# KiCad board GanJing 65 rev 2 hotswap-rounded.kicad_pcb
title: GanJing 65 rev 2 hotswap; date: 2021-11-19; rev: 2; company: Mingze Jin
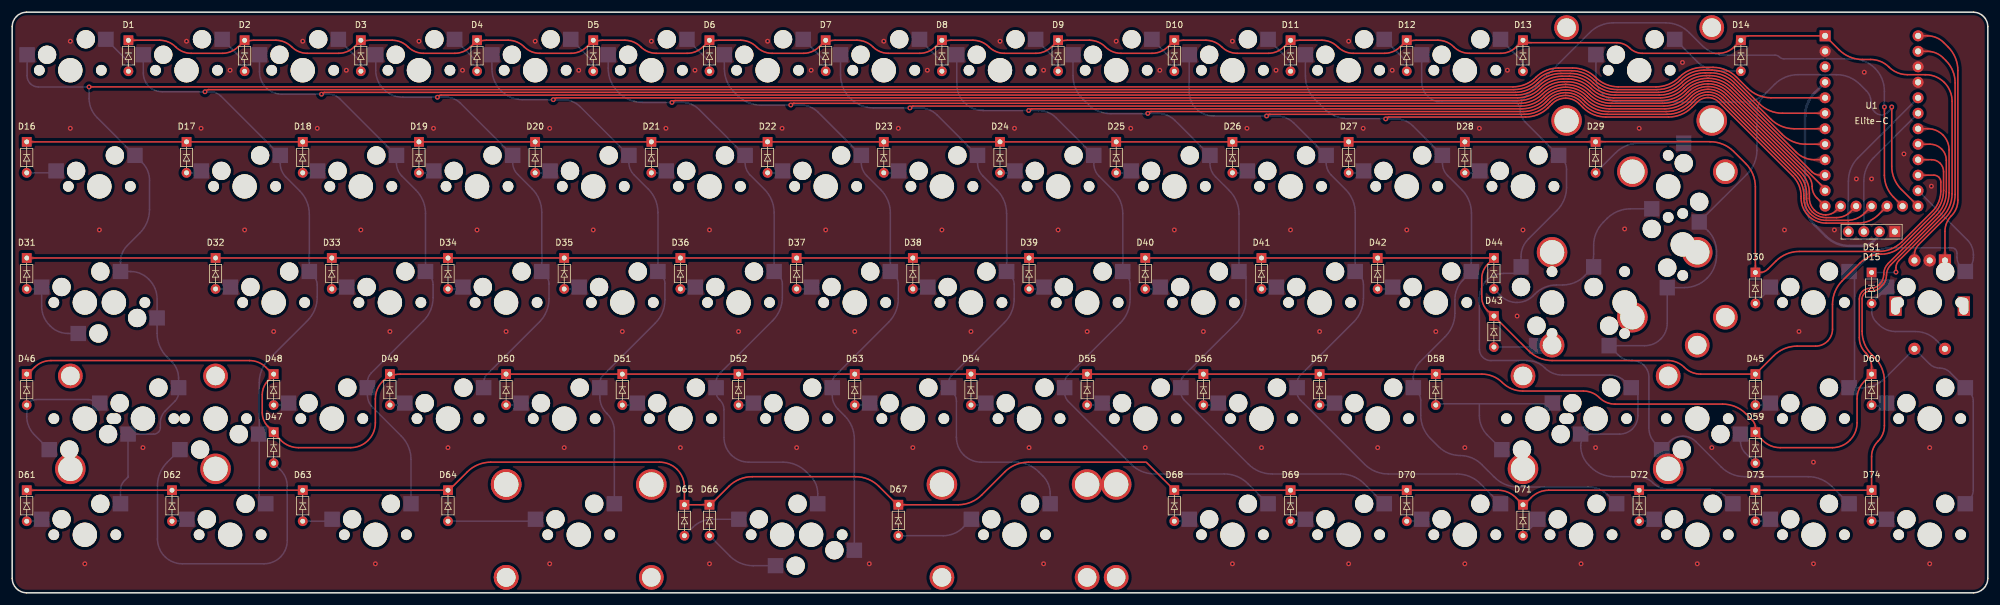
[diagram p0: board, top side]
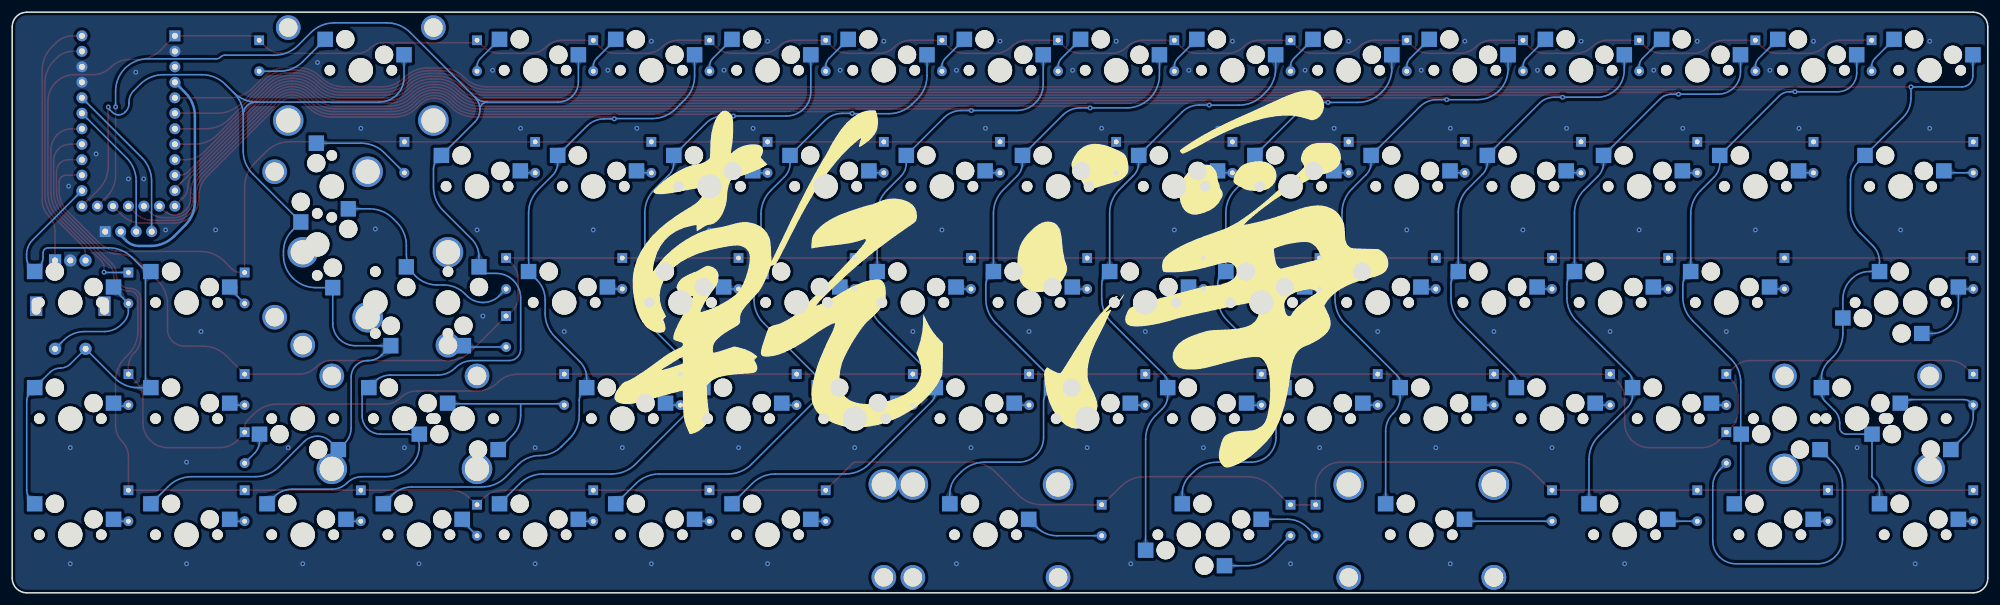
[diagram p1: board, bottom side, seen from below]

Outline 323.85 x 95.25 mm; copper layers: Top, Bottom. Coordinates in mm from the lower left corner of the outline.
Outline path: 0,92.87 0,2.38 arc(0.7,0.7) 2.38,0 321.47,0 arc(323.15,0.7) 323.85,2.38 323.85,92.87 arc(323.15,94.55) 321.47,95.25 2.38,95.25 arc(0.7,94.55) 0,92.87
Stack: Top 0.035mm / dielectric 1.51mm FR4 er 4.5 / Bottom 0.035mm

## Placement (name value [footprint] x y rotation side)
D1  -  [1N4148TR_diode]  19.05 88.11 0 top
D2  -  [1N4148TR_diode]  38.1 88.11 0 top
D3  -  [1N4148TR_diode]  57.15 88.11 0 top
D4  -  [1N4148TR_diode]  76.2 88.11 0 top
D5  -  [1N4148TR_diode]  95.25 88.11 0 top
D6  -  [1N4148TR_diode]  114.3 88.11 0 top
D7  -  [1N4148TR_diode]  133.35 88.11 0 top
D8  -  [1N4148TR_diode]  152.4 88.11 0 top
D9  -  [1N4148TR_diode]  171.45 88.11 0 top
D10  -  [1N4148TR_diode]  190.5 88.11 0 top
D11  -  [1N4148TR_diode]  209.55 88.11 0 top
D12  -  [1N4148TR_diode]  228.6 88.11 0 top
D13  -  [1N4148TR_diode]  247.65 88.11 0 top
D14  -  [1N4148TR_diode]  283.37 88.11 0 top
D15  -  [1N4148TR_diode]  304.8 50.01 0 top
D16  -  [1N4148TR_diode]  2.38 71.44 0 top
D17  -  [1N4148TR_diode]  28.57 71.44 0 top
D18  -  [1N4148TR_diode]  47.62 71.44 0 top
D19  -  [1N4148TR_diode]  66.68 71.44 0 top
D20  -  [1N4148TR_diode]  85.72 71.44 0 top
D21  -  [1N4148TR_diode]  104.78 71.44 0 top
D22  -  [1N4148TR_diode]  123.83 71.44 0 top
D23  -  [1N4148TR_diode]  142.88 71.44 0 top
D24  -  [1N4148TR_diode]  161.93 71.44 0 top
D25  -  [1N4148TR_diode]  180.97 71.44 0 top
D26  -  [1N4148TR_diode]  200.03 71.44 0 top
D27  -  [1N4148TR_diode]  219.08 71.44 0 top
D28  -  [1N4148TR_diode]  238.13 71.44 0 top
D29  -  [1N4148TR_diode]  259.56 71.44 0 top
D30  -  [1N4148TR_diode]  285.75 50.01 0 top
D31  -  [1N4148TR_diode]  2.38 52.39 0 top
D32  -  [1N4148TR_diode]  33.34 52.39 0 top
D33  -  [1N4148TR_diode]  52.39 52.39 0 top
D34  -  [1N4148TR_diode]  71.44 52.39 0 top
D35  -  [1N4148TR_diode]  90.49 52.39 0 top
D36  -  [1N4148TR_diode]  109.54 52.39 0 top
D37  -  [1N4148TR_diode]  128.59 52.39 0 top
D38  -  [1N4148TR_diode]  147.64 52.39 0 top
D39  -  [1N4148TR_diode]  166.69 52.39 0 top
D40  -  [1N4148TR_diode]  185.74 52.39 0 top
D41  -  [1N4148TR_diode]  204.79 52.39 0 top
D42  -  [1N4148TR_diode]  223.84 52.39 0 top
D43  -  [1N4148TR_diode]  242.89 42.86 0 top
D44  -  [1N4148TR_diode]  242.89 52.39 0 top
D45  -  [1N4148TR_diode]  285.75 33.34 0 top
D46  -  [1N4148TR_diode]  2.38 33.34 0 top
D47  -  [1N4148TR_diode]  42.86 23.81 0 top
D48  -  [1N4148TR_diode]  42.86 33.34 0 top
D49  -  [1N4148TR_diode]  61.91 33.34 0 top
D50  -  [1N4148TR_diode]  80.96 33.34 0 top
D51  -  [1N4148TR_diode]  100.01 33.34 0 top
D52  -  [1N4148TR_diode]  119.06 33.34 0 top
D53  -  [1N4148TR_diode]  138.11 33.34 0 top
D54  -  [1N4148TR_diode]  157.16 33.34 0 top
D55  -  [1N4148TR_diode]  176.21 33.34 0 top
D56  -  [1N4148TR_diode]  195.26 33.34 0 top
D57  -  [1N4148TR_diode]  214.31 33.34 0 top
D58  -  [1N4148TR_diode]  233.36 33.34 0 top
D59  -  [1N4148TR_diode]  285.75 23.81 0 top
D60  -  [1N4148TR_diode]  304.8 33.34 0 top
D61  -  [1N4148TR_diode]  2.38 14.29 0 top
D62  -  [1N4148TR_diode]  26.19 14.29 0 top
D63  -  [1N4148TR_diode]  47.62 14.29 0 top
D64  -  [1N4148TR_diode]  71.44 14.29 0 top
D65  -  [1N4148TR_diode]  110.19 11.91 0 top
D66  -  [1N4148TR_diode]  114.3 11.91 0 top
D67  -  [1N4148TR_diode]  145.26 11.91 0 top
D68  -  [1N4148TR_diode]  190.5 14.29 0 top
D69  -  [1N4148TR_diode]  209.55 14.29 0 top
D70  -  [1N4148TR_diode]  228.6 14.29 0 top
D71  -  [1N4148TR_diode]  247.65 11.91 0 top
D72  -  [1N4148TR_diode]  266.7 14.29 0 top
D73  -  [1N4148TR_diode]  285.75 14.29 0 top
D74  -  [1N4148TR_diode]  304.8 14.29 0 top
DS1  -  [SSD1306_128x64_OLED]  304.8 71.2 0 top
MX1  MX_1u_no_LED  [MX_1u_no_LED_hotswap_flipped_pins]  9.52 85.72 0 top
MX2  MX_1u_no_LED  [MX_1u_no_LED_hotswap_flipped_pins]  28.57 85.72 0 top
MX3  MX_1u_no_LED  [MX_1u_no_LED_hotswap_flipped_pins]  47.62 85.72 0 top
MX4  MX_1u_no_LED  [MX_1u_no_LED_hotswap_flipped_pins]  66.68 85.72 0 top
MX5  MX_1u_no_LED  [MX_1u_no_LED_hotswap_flipped_pins]  85.72 85.72 0 top
MX6  MX_1u_no_LED  [MX_1u_no_LED_hotswap_flipped_pins]  104.78 85.72 0 top
MX7  MX_1u_no_LED  [MX_1u_no_LED_hotswap_flipped_pins]  123.83 85.72 0 top
MX8  MX_1u_no_LED  [MX_1u_no_LED_hotswap_flipped_pins]  142.88 85.72 0 top
MX9  MX_1u_no_LED  [MX_1u_no_LED_hotswap_flipped_pins]  161.93 85.72 0 top
MX10  MX_1u_no_LED  [MX_1u_no_LED_hotswap_flipped_pins]  180.97 85.72 0 top
MX11  MX_1u_no_LED  [MX_1u_no_LED_hotswap_flipped_pins]  200.03 85.72 0 top
MX12  MX_1u_no_LED  [MX_1u_no_LED_hotswap_flipped_pins]  219.08 85.72 0 top
MX13  MX_1u_no_LED  [MX_1u_no_LED_hotswap_flipped_pins]  238.13 85.72 0 top
MX14  MX_2u_no_LED  [MX_2u_no_LED_hotswap]  266.7 85.72 0 top
MX15  MX_1u_no_LED  [MX_1u_no_LED_hotswap]  314.32 47.62 0 top
MX16  MX_1.5u_no_LED  [MX_1.5u_no_LED_hotswap]  14.29 66.67 0 top
MX17  MX_1u_no_LED  [MX_1u_no_LED_hotswap]  38.1 66.67 0 top
MX18  MX_1u_no_LED  [MX_1u_no_LED_hotswap]  57.15 66.67 0 top
MX19  MX_1u_no_LED  [MX_1u_no_LED_hotswap]  76.2 66.67 0 top
MX20  MX_1u_no_LED  [MX_1u_no_LED_hotswap]  95.25 66.67 0 top
MX21  MX_1u_no_LED  [MX_1u_no_LED_hotswap]  114.3 66.67 0 top
MX22  MX_1u_no_LED  [MX_1u_no_LED_hotswap]  133.35 66.67 0 top
MX23  MX_1u_no_LED  [MX_1u_no_LED_hotswap]  152.4 66.67 0 top
MX24  MX_1u_no_LED  [MX_1u_no_LED_hotswap]  171.45 66.67 0 top
MX25  MX_1u_no_LED  [MX_1u_no_LED_hotswap]  190.5 66.67 0 top
MX26  MX_1u_no_LED  [MX_1u_no_LED_hotswap]  209.55 66.67 0 top
MX27  MX_1u_no_LED  [MX_1u_no_LED_hotswap]  228.6 66.67 0 top
MX28  MX_1u_no_LED  [MX_1u_no_LED_hotswap]  247.65 66.67 0 top
MX29  MX_1.5u_no_LED  [MX_1.5u_no_LED_hotswap_rotated]  271.46 66.67 0 top
MX30  MX_1u_no_LED  [MX_1u_no_LED_hotswap]  295.27 47.62 0 top
MX31  MX_1.75u_no_LED  [MX_1.75u_no_LED_hotswap]  16.67 47.62 180 top
MX32  MX_1u_no_LED  [MX_1u_no_LED_hotswap]  42.86 47.62 0 top
MX33  MX_1u_no_LED  [MX_1u_no_LED_hotswap]  61.91 47.62 0 top
MX34  MX_1u_no_LED  [MX_1u_no_LED_hotswap]  80.96 47.62 0 top
MX35  MX_1u_no_LED  [MX_1u_no_LED_hotswap]  100.01 47.62 0 top
MX36  MX_1u_no_LED  [MX_1u_no_LED_hotswap]  119.06 47.62 0 top
MX37  MX_1u_no_LED  [MX_1u_no_LED_hotswap]  138.11 47.62 0 top
MX38  MX_1u_no_LED  [MX_1u_no_LED_hotswap]  157.16 47.62 0 top
MX39  MX_1u_no_LED  [MX_1u_no_LED_hotswap]  176.21 47.62 0 top
MX40  MX_1u_no_LED  [MX_1u_no_LED_hotswap]  195.26 47.62 0 top
MX41  MX_1u_no_LED  [MX_1u_no_LED_hotswap]  214.31 47.62 0 top
MX42  MX_1u_no_LED  [MX_1u_no_LED_hotswap]  233.36 47.62 0 top
MX43  MX_1u_no_LED  [MX_1u_no_LED_hotswap]  252.41 47.62 90 top
MX44  MX_2.25u_no_LED  [MX_2.25u_no_LED_hotswap_rotated_flipped_stabs]  264.32 47.62 0 top
MX45  MX_1u_no_LED  [MX_1u_no_LED_hotswap]  295.27 28.57 0 top
MX46  MX_2.25u_no_LED  [MX_2.25u_no_LED_hotswap]  21.43 28.57 0 top
MX47  MX_1u_no_LED  [MX_1u_no_LED_hotswap_flipped_pins]  33.34 28.57 180 top
MX48  MX_1u_no_LED  [MX_1u_no_LED_hotswap]  52.39 28.57 0 top
MX49  MX_1u_no_LED  [MX_1u_no_LED_hotswap]  71.44 28.57 0 top
MX50  MX_1u_no_LED  [MX_1u_no_LED_hotswap]  90.49 28.57 0 top
MX51  MX_1u_no_LED  [MX_1u_no_LED_hotswap]  109.54 28.57 0 top
MX52  MX_1u_no_LED  [MX_1u_no_LED_hotswap]  128.59 28.57 0 top
MX53  MX_1u_no_LED  [MX_1u_no_LED_hotswap]  147.64 28.57 0 top
MX54  MX_1u_no_LED  [MX_1u_no_LED_hotswap]  166.69 28.57 0 top
MX55  MX_1u_no_LED  [MX_1u_no_LED_hotswap]  185.74 28.57 0 top
MX56  MX_1u_no_LED  [MX_1u_no_LED_hotswap]  204.79 28.57 0 top
MX57  MX_1u_no_LED  [MX_1u_no_LED_hotswap]  223.84 28.57 0 top
MX58  MX_2.75u_no_LED  [MX_2.75u_no_LED_hotswap]  259.56 28.57 0 top
MX59  MX_1u_no_LED  [MX_1u_no_LED_hotswap]  276.22 28.57 180 top
MX60  MX_1u_no_LED  [MX_1u_no_LED_hotswap]  314.32 28.57 0 top
MX61  MX_1.25u_no_LED  [MX_1.25u_no_LED_hotswap]  11.91 9.53 0 top
MX62  MX_1.25u_no_LED  [MX_1.25u_no_LED_hotswap]  35.72 9.53 0 top
MX63  MX_1.25u_no_LED  [MX_1.25u_no_LED_hotswap]  59.53 9.53 0 top
MX64  MX_2.25u_no_LED_flipped_stabs  [MX_2.25u_no_LED_hotswap_flipped_stabs]  92.87 9.53 0 top
MX65  MX_1.25u_no_LED  [MX_1.25u_no_LED_hotswap]  126.21 9.53 0 top
MX66  MX_6.25u_no_LED_flipped_stabs  [MX_6.25u_no_LED_hotswap_flipped_stabs]  130.97 9.53 0 top
MX67  MX_2.75u_no_LED_flipped_stabs  [MX_2.75u_no_LED_hotswap_flipped_stabs]  164.31 9.53 0 top
MX68  MX_1u_no_LED  [MX_1u_no_LED_hotswap]  200.03 9.53 0 top
MX69  MX_1u_no_LED  [MX_1u_no_LED_hotswap]  219.08 9.53 0 top
MX70  MX_1u_no_LED  [MX_1u_no_LED_hotswap]  238.13 9.53 0 top
MX71  MX_1u_no_LED  [MX_1u_no_LED_hotswap]  257.17 9.53 0 top
MX72  MX_1u_no_LED  [MX_1u_no_LED_hotswap]  276.22 9.53 0 top
MX73  MX_1u_no_LED  [MX_1u_no_LED_hotswap]  295.27 9.53 0 top
MX74  MX_1u_no_LED  [MX_1u_no_LED_hotswap]  314.32 9.53 0 top
MX75  MX_1.75u_no_LED  [MX_1.75u_stepped_no_LED_hotswap]  11.91 47.62 0 top
MX76  MX_ISO_no_LED_flipped_stabs  [MX_ISO_no_LED_hotswap_flipped_stabs]  273.84 57.15 0 top
MX77  MX_1.25u_no_LED  [MX_1.25u_no_LED_hotswap#2]  11.91 28.57 180 top
MX78  MX_1.75u_no_LED  [MX_1.75u_no_LED_hotswap]  250.03 28.57 180 top
REF***  -  [Logo]  161.93 47.62 0 top
SW1  -  [EC11_rotary_encoder]  314.32 47.03 180 top
U1  -  [Elite-C]  304.8 77.4 0 top

## Library data of the parts
MX1-MX13 MX15 MX17-MX28 MX30 MX32-MX43 MX45 MX47-MX57 MX59 MX60 MX68-MX74 = -: Size: 1u
MX14 = -: Size: 2u
MX16 MX29 = -: Size: 1.5u
MX31 MX75 MX78 = -: Size: 1.75u
MX44 MX46 MX64 = -: Size: 2.25u
MX58 MX67 = -: Size: 2.75u
MX61-MX63 MX65 MX77 = -: Size: 1.25u
MX66 = -: Size: 6.25u
MX76 = -: Size: ISO

## Footprints (pads in the part's own frame, mm; a bottom-side part is the same pattern mirrored in y, then rotated)
1N4148TR_diode
  rect 1.6x1.6 hole 0.8: 1(0,2.54)
  oval 1.6x1.6 hole 0.8: 2(0,-2.54)
EC11_rotary_encoder
  rect 2x3.2 hole 1.5x2.8 unplated: (-5.6,0) (5.6,0)
  rect 2x2 hole 1: A(-2.5,-7.5)
  round 2 hole 1: B(2.5,-7.5) C(0,-7.5) S1(2.5,7) S2(-2.5,7)
Elite-C
  rect 1.8x1.8 hole 1: 1(-7.62,13.97)
  round 1.8 hole 1: 2(-7.62,11.43) 3(-7.62,8.89) 4(-7.62,6.35) 5(-7.62,3.81) 6(-7.62,1.27) 7(-7.62,-1.27) 8(-7.62,-3.81) 9(-7.62,-6.35) 10(-7.62,-8.89) 11(-7.62,-11.43) 12(-7.62,-13.97) 13(7.62,-13.97) 14(7.62,-11.43) 15(7.62,-8.89) 16(7.62,-6.35) 17(7.62,-3.81) 18(7.62,-1.27) 19(7.62,1.27) 20(7.62,3.81) 21(7.62,6.35) 22(7.62,8.89) 23(7.62,11.43) 24(7.62,13.97) 25(-5.08,-13.97) 26(-2.54,-13.97) 27(0,-13.97) 28(2.54,-13.97) 29(5.08,-13.97)
MX_1.5u_no_LED_hotswap
  round 1.75 hole 1.75 unplated: (-5.08,0) (5.08,0)
  round 3 hole 3 unplated: (-3.81,2.54) (2.54,5.08)
  round 3.988 hole 3.988 unplated: (0,0)
  rect 2.55x2.5 smd far side: 1(5.842,5.08) 2(-7.085,2.54)
MX_1.5u_no_LED_hotswap_rotated
  round 1.75 hole 1.75 unplated: (0,5.08) (0,-5.08)
  round 3.988 hole 3.988 unplated: (0,0)
  round 3 hole 3 unplated: (2.54,3.81) (5.08,-2.54)
  rect 2.5x2.55 smd far side: 1(5.08,-5.842) 2(2.54,7.085)
MX_1.25u_no_LED_hotswap
  round 1.75 hole 1.75 unplated: (-5.08,0) (5.08,0)
  round 3 hole 3 unplated: (-3.81,2.54) (2.54,5.08)
  round 3.988 hole 3.988 unplated: (0,0)
  rect 2.55x2.5 smd far side: 1(5.842,5.08) 2(-7.085,2.54)
MX_1.25u_no_LED_hotswap#2
  round 1.75 hole 1.75 unplated: (-5.08,0) (5.08,0)
  round 3 hole 3 unplated: (-3.81,2.54) (2.54,5.08)
  round 3.988 hole 3.988 unplated: (0,0)
  rect 2.55x2.5 smd far side: 1(-7.085,2.54) 2(5.842,5.08)
MX_1.75u_no_LED_hotswap
  round 1.75 hole 1.75 unplated: (-5.08,0) (5.08,0)
  round 3 hole 3 unplated: (-3.81,2.54) (2.54,5.08)
  round 3.988 hole 3.988 unplated: (0,0)
  rect 2.55x2.5 smd far side: 1(-7.085,2.54) 2(5.842,5.08)
MX_1.75u_stepped_no_LED_hotswap
  round 1.75 hole 1.75 unplated: (-5.08,0) (5.08,0)
  round 3 hole 3 unplated: (-3.81,2.54) (2.54,5.08)
  round 3.988 hole 3.988 unplated: (0,0)
  rect 2.55x2.5 smd far side: 1(5.842,5.08) 2(-7.085,2.54)
MX_1u_no_LED_hotswap
  round 1.75 hole 1.75 unplated: (-5.08,0) (5.08,0)
  round 3 hole 3 unplated: (-3.81,2.54) (2.54,5.08)
  round 3.988 hole 3.988 unplated: (0,0)
  rect 2.55x2.5 smd far side: 1(5.842,5.08) 2(-7.085,2.54)
MX_1u_no_LED_hotswap_flipped_pins
  round 1.75 hole 1.75 unplated: (-5.08,0) (5.08,0)
  round 3 hole 3 unplated: (-3.81,2.54) (2.54,5.08)
  round 3.988 hole 3.988 unplated: (0,0)
  rect 2.55x2.5 smd far side: 1(-7.085,2.54) 2(5.842,5.08)
MX_2.25u_no_LED_hotswap
  round 4.05 hole 3.05 unplated: (-11.9,7) (11.9,7)
  round 5 hole 4 unplated: (-11.9,-8.24) (11.9,-8.24)
  round 1.75 hole 1.75 unplated: (-5.08,0) (5.08,0)
  round 3 hole 3 unplated: (-3.81,2.54) (2.54,5.08)
  round 3.988 hole 3.988 unplated: (0,0)
  rect 2.55x2.5 smd far side: 1(5.842,5.08) 2(-7.085,2.54)
MX_2.25u_no_LED_hotswap_flipped_stabs
  round 5 hole 4 unplated: (-11.9,8.24) (11.9,8.24)
  round 4.05 hole 3.05 unplated: (-11.9,-7) (11.9,-7)
  round 1.75 hole 1.75 unplated: (-5.08,0) (5.08,0)
  round 3 hole 3 unplated: (-3.81,2.54) (2.54,5.08)
  round 3.988 hole 3.988 unplated: (0,0)
  rect 2.55x2.5 smd far side: 1(5.842,5.08) 2(-7.085,2.54)
MX_2.25u_no_LED_hotswap_rotated_flipped_stabs
  round 5 hole 4 unplated: (-11.9,8.24) (11.9,8.24)
  round 4.05 hole 3.05 unplated: (-11.9,-7) (11.9,-7)
  round 3 hole 3 unplated: (-5.08,2.54) (-2.54,-3.81)
  round 1.75 hole 1.75 unplated: (0,5.08) (0,-5.08)
  round 3.988 hole 3.988 unplated: (0,0)
  rect 2.5x2.55 smd far side: 1(-2.54,-7.085) 2(-5.08,5.842)
MX_2.75u_no_LED_hotswap
  round 4.05 hole 3.05 unplated: (-11.9,7) (11.9,7)
  round 5 hole 4 unplated: (-11.9,-8.24) (11.9,-8.24)
  round 1.75 hole 1.75 unplated: (-5.08,0) (5.08,0)
  round 3 hole 3 unplated: (-3.81,2.54) (2.54,5.08)
  round 3.988 hole 3.988 unplated: (0,0)
  rect 2.55x2.5 smd far side: 1(5.842,5.08) 2(-7.085,2.54)
MX_2.75u_no_LED_hotswap_flipped_stabs
  round 5 hole 4 unplated: (-11.9,8.24) (11.9,8.24)
  round 4.05 hole 3.05 unplated: (-11.9,-7) (11.9,-7)
  round 1.75 hole 1.75 unplated: (-5.08,0) (5.08,0)
  round 3 hole 3 unplated: (-3.81,2.54) (2.54,5.08)
  round 3.988 hole 3.988 unplated: (0,0)
  rect 2.55x2.5 smd far side: 1(5.842,5.08) 2(-7.085,2.54)
MX_2u_no_LED_hotswap
  round 4.05 hole 3.05 unplated: (-11.9,7) (11.9,7)
  round 5 hole 4 unplated: (-11.9,-8.24) (11.9,-8.24)
  round 1.75 hole 1.75 unplated: (-5.08,0) (5.08,0)
  round 3 hole 3 unplated: (-3.81,2.54) (2.54,5.08)
  round 3.988 hole 3.988 unplated: (0,0)
  rect 2.55x2.5 smd far side: 1(-7.085,2.54) 2(5.842,5.08)
MX_6.25u_no_LED_hotswap_flipped_stabs
  round 5 hole 4 unplated: (-50,8.255) (50,8.255)
  round 4.05 hole 3.05 unplated: (-50,-6.985) (50,-6.985)
  round 1.75 hole 1.75 unplated: (-5.08,0) (5.08,0)
  round 3 hole 3 unplated: (-2.54,-5.08) (3.81,-2.54)
  round 3.988 hole 3.988 unplated: (0,0)
  rect 2.55x2.5 smd far side: 1(7.085,-2.54) 2(-5.842,-5.08)
MX_ISO_no_LED_hotswap_flipped_stabs
  round 5 hole 4 unplated: (-8.255,11.938) (-8.255,-11.938)
  round 3 hole 3 unplated: (-5.08,2.54) (-2.54,-3.81)
  round 1.75 hole 1.75 unplated: (0,5.08) (0,-5.08)
  round 3.988 hole 3.988 unplated: (0,0)
  round 4.05 hole 3.05 unplated: (6.985,11.938) (6.985,-11.938)
  rect 2.5x2.55 smd far side: 1(-2.54,-7.085) 2(-5.08,5.842)
SSD1306_128x64_OLED
  rect 1.8x1.8 hole 1: 1(3.81,-11.95)
  round 1.8 hole 1: 2(1.27,-11.95) 3(-1.27,-11.95) 4(-3.81,-11.95)

## Nets
GND: DS1.1 SW1.C U1.2 U1.21 U1.22
VCC: DS1.2 U1.4
col_1: MX1.1 MX16.1 MX31.1 MX46.1 MX61.1 MX75.1 MX77.1 U1.5
col_2: MX2.1 MX17.1 MX32.1 MX47.1 MX62.1 U1.6
col_3: MX3.1 MX18.1 MX33.1 MX48.1 MX63.1 U1.7
col_4: MX4.1 MX19.1 MX34.1 MX49.1 U1.8
col_5: MX5.1 MX20.1 MX35.1 MX50.1 MX64.1 U1.9
col_6: MX6.1 MX21.1 MX36.1 MX51.1 MX65.1 U1.10
col_7: MX7.1 MX22.1 MX37.1 MX52.1 MX66.1 U1.11
col_8: MX8.1 MX23.1 MX38.1 MX53.1 MX67.1 U1.12
col_9: MX9.1 MX24.1 MX39.1 MX54.1 MX68.1 U1.25
col_10: MX10.1 MX25.1 MX40.1 MX55.1 MX69.1 U1.26
col_11: MX11.1 MX26.1 MX41.1 MX56.1 MX70.1 U1.27
col_12: MX12.1 MX27.1 MX42.1 MX57.1 MX71.1 U1.28
col_13: MX13.1 MX28.1 MX43.1 MX58.1 MX72.1 MX78.1 U1.29
col_14: MX14.1 MX29.1 MX44.1 MX59.1 MX73.1 MX76.1 U1.13
col_15: MX15.1 MX30.1 MX45.1 MX60.1 MX74.1 SW1.S1 U1.14
rotory_1: SW1.A U1.24
rotory_2: SW1.B U1.23
row_1: D1.1 D2.1 D3.1 D4.1 D5.1 D6.1 D7.1 D8.1 D9.1 D10.1 D11.1 D12.1 D13.1 D14.1 D15.1 U1.1
row_2: D16.1 D17.1 D18.1 D19.1 D20.1 D21.1 D22.1 D23.1 D24.1 D25.1 D26.1 D27.1 D28.1 D29.1 D30.1 U1.15
row_3: D31.1 D32.1 D33.1 D34.1 D35.1 D36.1 D37.1 D38.1 D39.1 D40.1 D41.1 D42.1 D43.1 D44.1 D45.1 U1.16
row_4: D46.1 D47.1 D48.1 D49.1 D50.1 D51.1 D52.1 D53.1 D54.1 D55.1 D56.1 D57.1 D58.1 D59.1 D60.1 U1.17
row_5: D61.1 D62.1 D63.1 D64.1 D65.1 D66.1 D67.1 D68.1 D69.1 D70.1 D71.1 D72.1 D73.1 D74.1 U1.18
S2: D15.2 MX15.2 SW1.S2
SCL: DS1.3 U1.19
SDA: DS1.4 U1.20
Net-(D1-Pad2): D1.2 MX1.2
Net-(D2-Pad2): D2.2 MX2.2
Net-(D3-Pad2): D3.2 MX3.2
Net-(D4-Pad2): D4.2 MX4.2
Net-(D5-Pad2): D5.2 MX5.2
Net-(D6-Pad2): D6.2 MX6.2
Net-(D7-Pad2): D7.2 MX7.2
Net-(D8-Pad2): D8.2 MX8.2
Net-(D9-Pad2): D9.2 MX9.2
Net-(D10-Pad2): D10.2 MX10.2
Net-(D11-Pad2): D11.2 MX11.2
Net-(D12-Pad2): D12.2 MX12.2
Net-(D13-Pad2): D13.2 MX13.2
Net-(D14-Pad2): D14.2 MX14.2
Net-(D16-Pad2): D16.2 MX16.2
Net-(D17-Pad2): D17.2 MX17.2
Net-(D18-Pad2): D18.2 MX18.2
Net-(D19-Pad2): D19.2 MX19.2
Net-(D20-Pad2): D20.2 MX20.2
Net-(D21-Pad2): D21.2 MX21.2
Net-(D22-Pad2): D22.2 MX22.2
Net-(D23-Pad2): D23.2 MX23.2
Net-(D24-Pad2): D24.2 MX24.2
Net-(D25-Pad2): D25.2 MX25.2
Net-(D26-Pad2): D26.2 MX26.2
Net-(D27-Pad2): D27.2 MX27.2
Net-(D28-Pad2): D28.2 MX28.2
Net-(D29-Pad2): D29.2 MX29.2
Net-(D30-Pad2): D30.2 MX30.2
Net-(D31-Pad2): D31.2 MX31.2 MX75.2
Net-(D32-Pad2): D32.2 MX32.2
Net-(D33-Pad2): D33.2 MX33.2
Net-(D34-Pad2): D34.2 MX34.2
Net-(D35-Pad2): D35.2 MX35.2
Net-(D36-Pad2): D36.2 MX36.2
Net-(D37-Pad2): D37.2 MX37.2
Net-(D38-Pad2): D38.2 MX38.2
Net-(D39-Pad2): D39.2 MX39.2
Net-(D40-Pad2): D40.2 MX40.2
Net-(D41-Pad2): D41.2 MX41.2
Net-(D42-Pad2): D42.2 MX42.2
Net-(D43-Pad2): D43.2 MX43.2
Net-(D44-Pad2): D44.2 MX44.2 MX76.2
Net-(D45-Pad2): D45.2 MX45.2
Net-(D46-Pad2): D46.2 MX46.2 MX77.2
Net-(D47-Pad2): D47.2 MX47.2
Net-(D48-Pad2): D48.2 MX48.2
Net-(D49-Pad2): D49.2 MX49.2
Net-(D50-Pad2): D50.2 MX50.2
Net-(D51-Pad2): D51.2 MX51.2
Net-(D52-Pad2): D52.2 MX52.2
Net-(D53-Pad2): D53.2 MX53.2
Net-(D54-Pad2): D54.2 MX54.2
Net-(D55-Pad2): D55.2 MX55.2
Net-(D56-Pad2): D56.2 MX56.2
Net-(D57-Pad2): D57.2 MX57.2
Net-(D58-Pad2): D58.2 MX58.2 MX78.2
Net-(D59-Pad2): D59.2 MX59.2
Net-(D60-Pad2): D60.2 MX60.2
Net-(D61-Pad2): D61.2 MX61.2
Net-(D62-Pad2): D62.2 MX62.2
Net-(D63-Pad2): D63.2 MX63.2
Net-(D64-Pad2): D64.2 MX64.2
Net-(D65-Pad2): D65.2 MX65.2
Net-(D66-Pad2): D66.2 MX66.2
Net-(D67-Pad2): D67.2 MX67.2
Net-(D68-Pad2): D68.2 MX68.2
Net-(D69-Pad2): D69.2 MX69.2
Net-(D70-Pad2): D70.2 MX70.2
Net-(D71-Pad2): D71.2 MX71.2
Net-(D72-Pad2): D72.2 MX72.2
Net-(D73-Pad2): D73.2 MX73.2
Net-(D74-Pad2): D74.2 MX74.2

Pads without a net: U1 3

## Via types
v1: diameter 0.8, hole 0.4, Top to Bottom, 116 vias

## Routing (per net, layer and track width the routed paths; a pad name or vN(x,y) marks a point on that pad's centre or on a via; arc(x,y) is an arc through that point)
GND:
  vias: v1(9.52,90.49) v1(9.52,76.2) v1(11.91,4.76) v1(14.29,59.53) v1(21.43,23.81) v1(28.57,90.49) v1(30.96,76.2) v1(35.72,85.72) v1(38.1,59.53) v1(42.86,42.86) v1(47.62,90.49) v1(50.01,76.2) v1(54.77,85.72) v1(57.15,59.53) v1(59.53,4.76) v1(61.91,42.86) v1(66.68,90.49) v1(69.06,76.2) v1(71.44,23.81) v1(73.82,85.72) v1(76.2,59.53) v1(80.96,42.86) v1(85.72,90.49) v1(88.11,76.2) v1(88.11,4.76) v1(90.49,23.81) v1(92.87,85.72) v1(95.25,59.53) v1(100.01,42.86) v1(104.78,90.49) v1(107.16,76.2) v1(109.54,23.81) v1(111.92,85.72) v1(114.3,59.53) v1(114.3,4.76) v1(119.06,42.86) v1(123.83,90.49) v1(126.21,76.2) v1(128.59,23.81) v1(130.97,85.72) v1(133.35,59.53) v1(138.11,42.86) v1(140.49,4.76) v1(142.88,90.49) v1(145.26,76.2) v1(147.64,23.81) v1(150.02,85.72) v1(152.4,59.53) v1(157.16,42.86) v1(161.93,90.49) v1(164.31,76.2) v1(166.69,23.81) v1(169.07,85.72) v1(169.07,4.76) v1(171.45,59.53) v1(176.21,42.86) v1(180.97,90.49) v1(183.36,76.2) v1(185.74,23.81) v1(188.12,85.72) v1(190.5,59.53) v1(195.26,42.86) v1(200.03,90.49) v1(200.03,4.76) v1(202.41,76.2) v1(204.79,23.81) v1(207.17,85.72) v1(209.55,59.53) v1(214.31,42.86) v1(219.08,90.49) v1(219.08,4.76) v1(221.46,76.2) v1(223.84,23.81) v1(226.22,85.72) v1(228.6,59.53) v1(233.36,42.86) v1(238.13,23.81) v1(238.13,4.76) v1(240.51,76.2) v1(245.1,85.72) v1(246.69,45.4) v1(247.65,59.53) v1(257.17,4.76) v1(259.56,23.81) v1(264.32,59.69) v1(266.7,76.2) v1(273.8,87) v1(276.22,4.76) v1(278.61,23.81) v1(290.51,59.53) v1(292.89,42.86) v1(295.27,21.43) v1(295.27,4.76) v1(298.7,59.53) v1(302.3,67.9) v1(303.6,85.4) v1(304.8,67.9) v1(310.1,72) v1(314.32,23.81) v1(314.32,4.76) v1(314.6,66.7)
VCC: length 37.4
  Bottom w0.4: 306.07,58.67 305.19,57.78 arc(304.2,57.13) 303.05,56.9 301.15,56.9 arc(299.07,57.31) 297.31,58.49 295.49,60.31 arc(294.31,62.07) 293.9,64.15 293.9,78.22 arc(294.31,80.3) 295.49,82.06 U1.4
col_1: length 386.2
  Top w0.25: U1.5 288.3,81.21 arc(286.22,81.62) 284.45,82.8 282.65,84.61 arc(280.88,85.79) 278.8,86.2 277.15,86.2 arc(275.07,85.79) 273.31,84.61 273.29,84.59 arc(271.53,83.41) 269.45,83 263.29,83 arc(261.27,83.4) 259.55,84.55 arc(257.83,85.7) 255.81,86.1 253.49,86.1 arc(251.47,85.7) 249.75,84.55 arc(248.03,83.4) 246.01,83 12.62,83 arc(12.61,83) 12.61,82.99 v1(12.6,82.99)
  Bottom w0.25: MX1.1 2.44,84.81 arc(2.58,84.11) 2.97,83.52 arc(3.56,83.13) 4.26,82.99 v1(12.6,82.99) 12.6,81.14 arc(12.94,79.43) 13.91,77.97 21.32,70.56 arc(22.2,69.25) 22.51,67.69 22.51,62.86 arc(22.1,60.78) 20.92,59.02 18.86,56.96 arc(18.04,55.73) 17.75,54.28 arc(18.21,53.17) 19.32,52.71 19.43,52.71 arc(20.99,52.4) 22.3,51.52 22.43,51.38 arc(23.41,49.92) 23.75,48.2 23.75,42.57 arc(24.17,40.49) 25.35,38.72 26.16,37.91 arc(26.98,36.68) 27.27,35.23 27.27,34.47 ; 17.75,14.6 17.75,16.83 arc(17.92,17.68) 18.4,18.4 19.02,19.02 arc(19.03,19.05) 19.02,19.08 arc(19,19.11) 18.99,19.15 MX77.1 23.21,26.03 arc(23.62,26.12) 23.97,26.35 arc(24.2,26.69) 24.28,27.1 24.28,27.85 arc(24.5,28.94) 25.12,29.87 26.7,31.45 arc(27.12,32.09) 27.27,32.84
col_2: length 361.7
  Top w0.25: U1.6 290.2,78.67 arc(288.12,79.08) 286.35,80.26 282.46,84.16 arc(280.7,85.34) 278.61,85.75 277.34,85.75 arc(275.26,85.34) 273.49,84.16 273.48,84.14 arc(271.71,82.96) 269.63,82.55 263.11,82.55 arc(261.08,82.95) 259.36,84.1 arc(257.65,85.25) 255.62,85.65 253.68,85.65 arc(251.65,85.25) 249.94,84.1 arc(248.22,82.95) 246.19,82.55 32.2,82.55 arc(31.97,82.5) 31.77,82.37 v1(31.6,82.2)
  Bottom w0.25: 40.5,15.67 40.5,34.5 arc(40.91,36.58) 42.09,38.34 48.41,44.66 arc(49.59,46.42) 50,48.5 50,50.49 arc(49.83,51.34) 49.35,52.06 ; 48.7,53.62 48.7,62.11 arc(48.29,64.19) 47.11,65.95 44.87,68.19 arc(44.18,69.22) 43.94,70.44 arc(43.7,71.65) 43.01,72.69 34.17,81.53 arc(33.42,82.03) 32.55,82.2 v1(31.6,82.2) 24.57,82.2 arc(23.39,82.43) 22.39,83.1 arc(21.72,84.1) 21.49,85.28 MX2.1